# KiCad board pcb-panel.kicad_pcb (continued)
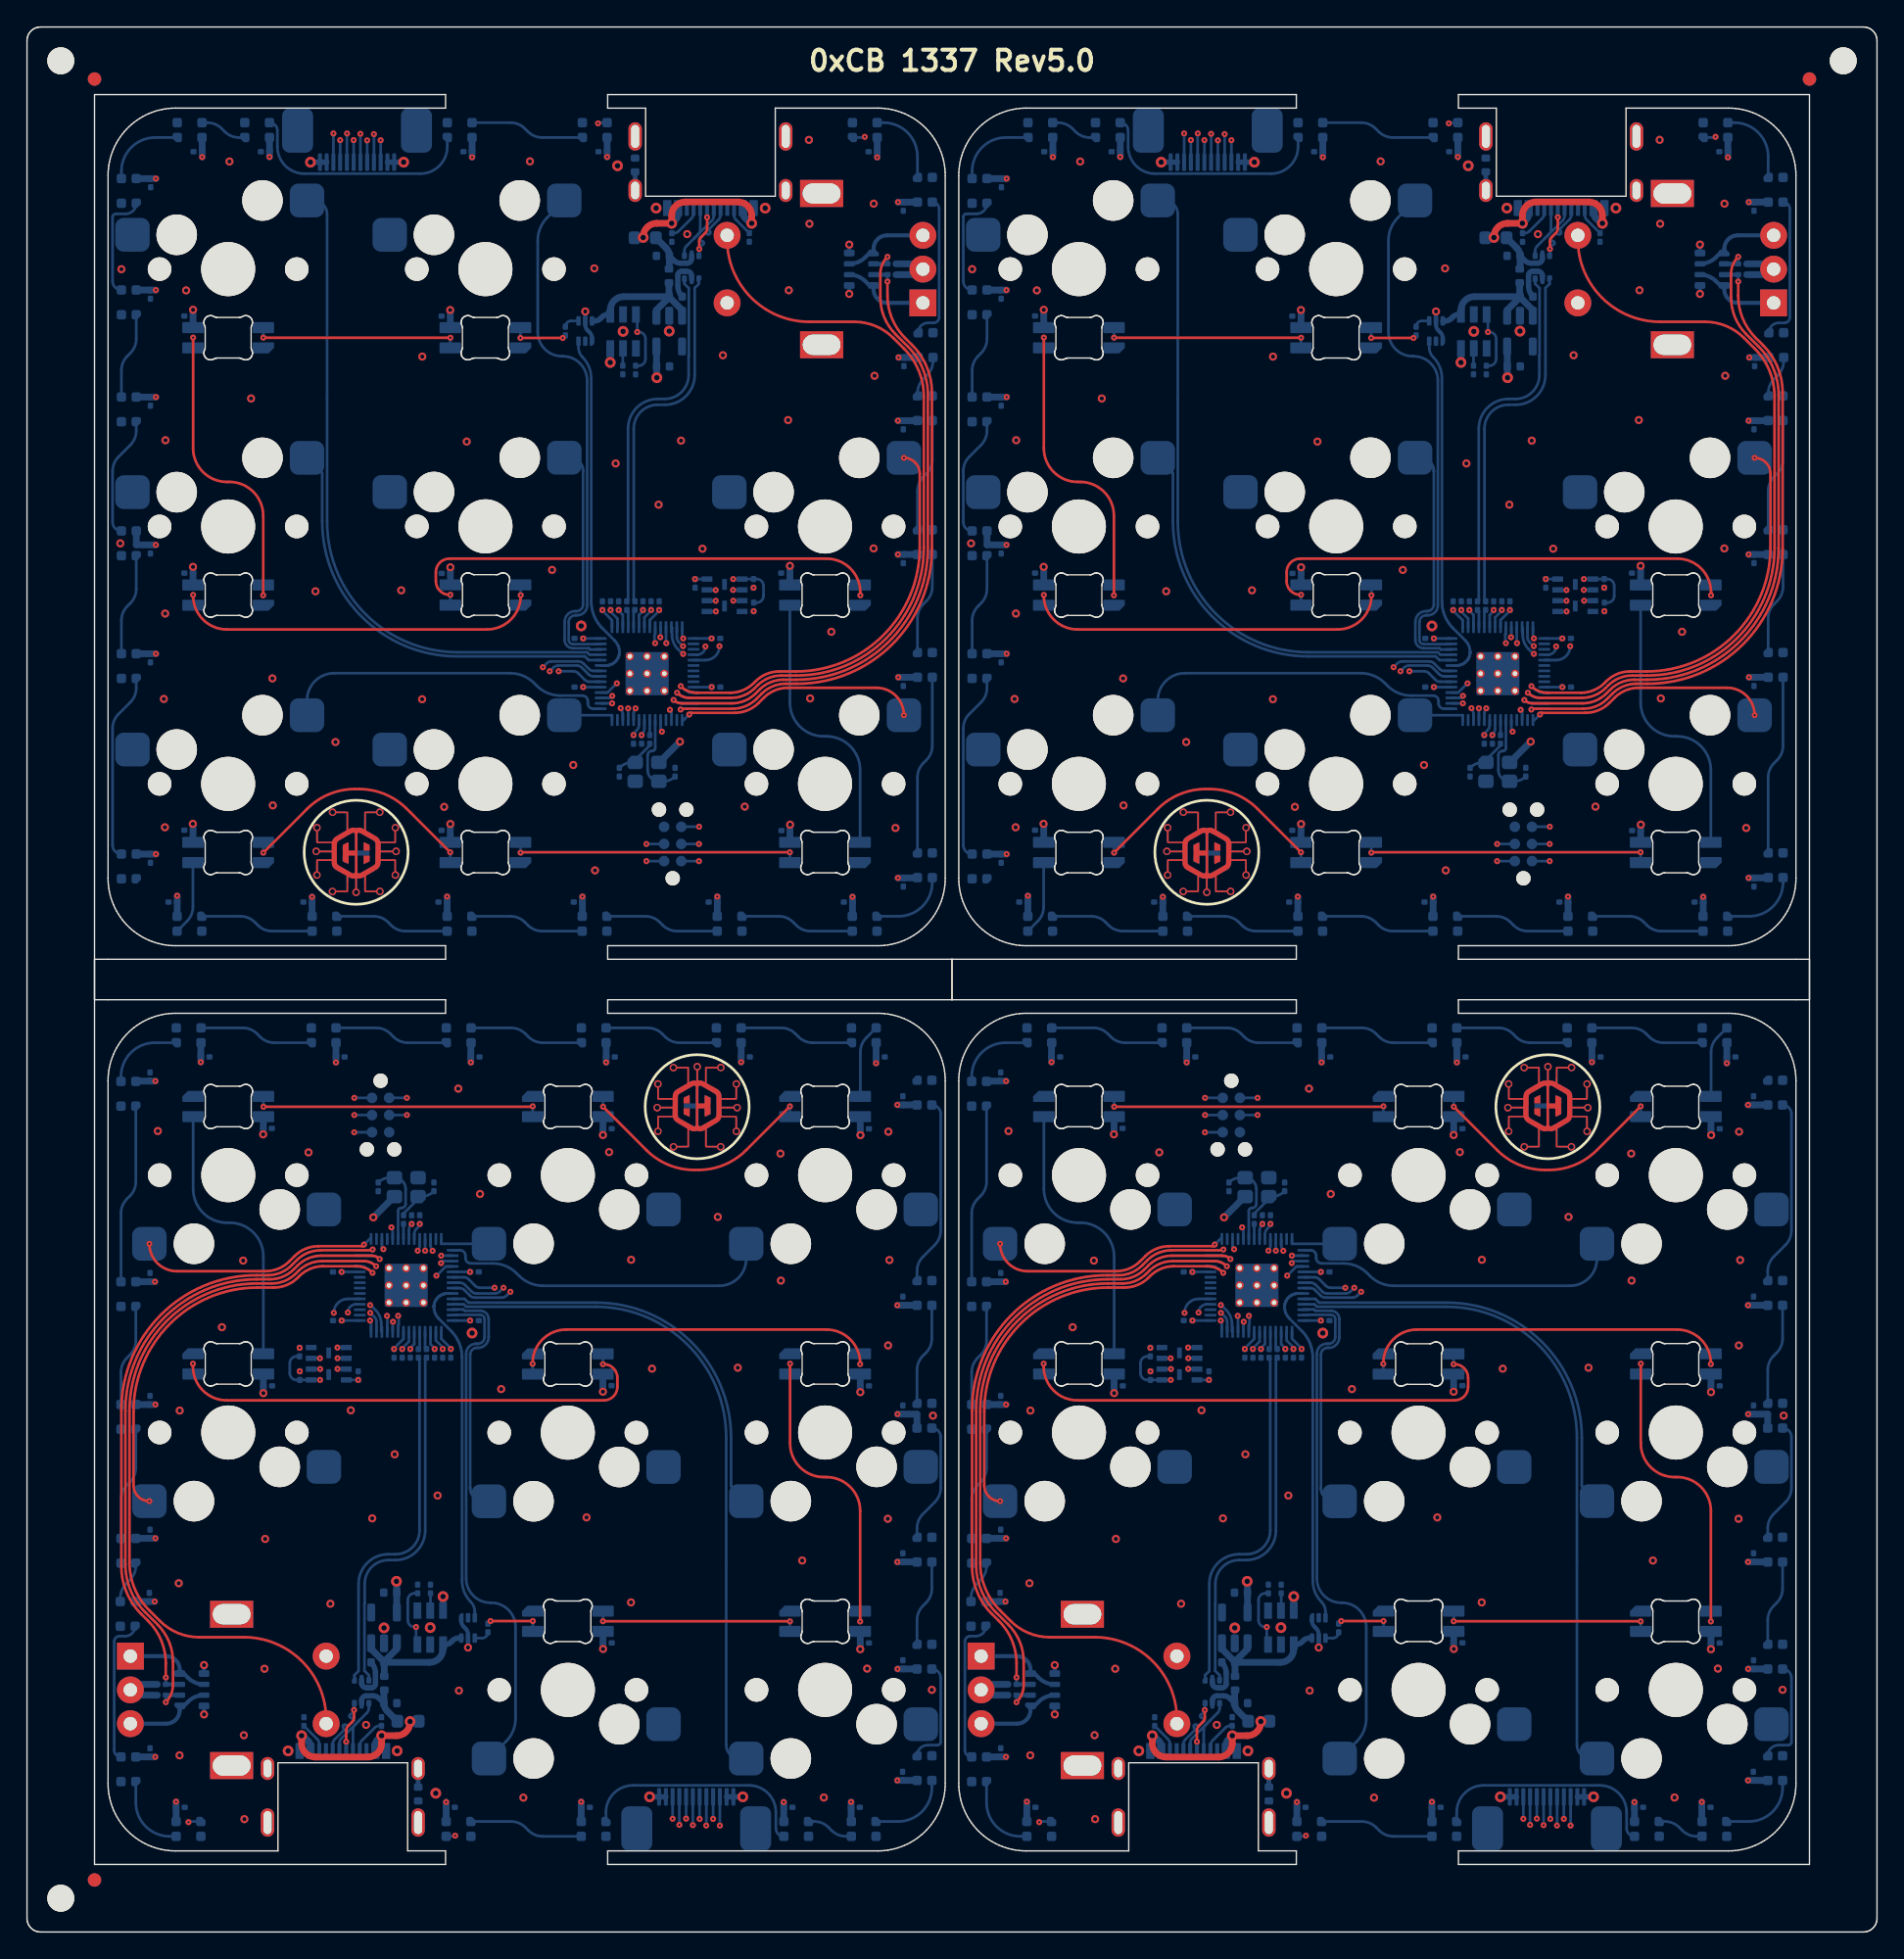
[diagram p0: board, top side]
## Routing (per net, layer and track width the routed paths; a pad name or vN(x,y) marks a point on that pad's centre or on a via; arc(x,y) is an arc through that point) (continued)
  Bottom w0.2: U6#4.4 24.37,46.46 arc(23.94,46.28) v1(23.76,45.85) ; J2#3.3 v1(51.31,7.88)
Board_2-/SPI0_CS: length 59.2
  In1.Cu w0.2: v1(30.32,48.58) 30.87,48.03 arc(31.19,47.82) 31.57,47.74 33.81,47.74 arc(34,47.78) 34.16,47.89 34.24,47.96 arc(34.4,48.07) 34.59,48.11 39.47,48.11 arc(46.14,45.34) 48.91,38.67 48.91,10.99 arc(49.09,10.09) 49.59,9.34 50,8.92 arc(50.22,8.6) 50.3,8.21 v1(50.3,7.88)
  Bottom w0.2: J2#3.5 50.31,7.89 v1(50.3,7.88) ; U6#4.32 31.01,49.26 30.33,48.58 v1(30.32,48.58)
Board_2-/SPI0_DC: length 63.2
  In1.Cu w0.2: v1(49.81,8.37) 49.81,7.85 arc(49.93,7.57) 50.21,7.45 51.36,7.45 arc(51.48,7.48) 51.58,7.54 51.62,7.59 arc(51.7,7.72) 51.73,7.87 51.73,7.91 arc(51.71,8.04) 51.63,8.15 49.5,10.29 arc(49.29,10.61) 49.21,10.99 49.21,38.7 arc(46.36,45.56) 39.5,48.41 34.47,48.41 arc(34.28,48.37) 34.12,48.26 34.04,48.19 arc(33.88,48.08) 33.69,48.04 31.94,48.04 arc(31.56,48.12) 31.24,48.33 30.34,49.23 arc(30.26,49.34) 30.23,49.48 30.23,49.55 arc(30.26,49.68) 30.33,49.78 30.61,50.06 v1(30.67,50.06)
  Bottom w0.2: J2#3.6 v1(49.81,8.37) ; v1(30.67,50.06) 30.67,50.06 U6#4.30
Board_2-/SPI0_RST: length 55.1
  In1.Cu w0.2: v1(48.31,7.93) 48.31,38.62 arc(45.71,44.91) 39.42,47.51 36.1,47.51 arc(35.94,47.48) v1(35.8,47.38)
  Bottom w0.2: v1(35.8,47.38) 35.52,47.1 arc(35.35,46.99) 35.16,46.96 33.15,46.96 arc(32.96,46.99) 32.8,47.1 32.39,47.51 arc(32.23,47.62) 32.04,47.66 U6#4.36 ; J2#3.9 v1(48.31,7.93)
Board_2-/SPI0_SCK: length 53.9
  In1.Cu w0.2: v1(34.63,47.68) 35.14,47.17 arc(35.38,47.01) 35.65,46.96 35.83,46.96 arc(35.96,46.99) 36.07,47.06 36.11,47.1 arc(36.24,47.18) 36.38,47.21 39.39,47.21 arc(45.49,44.69) 48.01,38.59 48.01,8.86 arc(47.96,8.6) v1(47.81,8.38)
  Bottom w0.2: v1(34.63,47.68) 33.54,47.68 arc(33.35,47.72) 33.18,47.83 32.7,48.31 arc(32.54,48.42) 32.35,48.46 U6#4.34 ; J2#3.10 v1(47.81,8.38)
Board_2-/SPI0_SDI: length 64
  In1.Cu w0.2: v1(48.81,8.39) 48.81,7.76 arc(48.99,7.33) 49.41,7.15 51.37,7.15 arc(51.59,7.2) 51.78,7.33 51.85,7.39 arc(51.99,7.6) 52.03,7.84 52.03,7.97 arc(51.99,8.16) 51.88,8.33 49.8,10.41 arc(49.59,10.74) 49.51,11.12 49.51,38.71 arc(46.58,45.78) 39.51,48.71 34.35,48.71 arc(34.15,48.67) 33.99,48.56 33.96,48.53 arc(33.79,48.42) 33.6,48.38 32.2,48.38 arc(31.82,48.46) 31.5,48.67 v1(30.66,49.51)
  Bottom w0.2: v1(48.81,8.39) J2#3.8 ; v1(30.66,49.51) 30.81,49.66 U6#4.31
Board_2-/SPI0_SDO: length 55.8
  In1.Cu w0.2: v1(49.31,7.91) 49.31,8.29 arc(49.27,8.47) 49.17,8.63 49.04,8.75 arc(48.72,9.24) 48.61,9.81 48.61,38.64 arc(45.92,45.12) 39.44,47.81 35.59,47.81 arc(35.43,47.78) v1(35.29,47.68)
  Bottom w0.2: v1(35.29,47.68) 35.01,47.41 arc(34.85,47.3) 34.66,47.26 33.27,47.26 arc(33.08,47.3) 32.92,47.41 32.41,47.91 arc(32.25,48.02) 32.06,48.06 U6#4.35 ; J2#3.7 v1(49.31,7.91)
Board_2-/SWD_CLK: length 15.6
  In1.Cu w0.2: v1(28.93,50.43) 28.93,50.44 arc(28.94,50.48) 28.96,50.51 29.35,50.89 arc(29.49,51.11) 29.54,51.36 29.54,55.56 arc(29.19,57.3) 28.21,58.77 28.12,58.86 arc(26.34,60.05) v1(24.24,60.47)
  Bottom w0.2: U6#4.24 29.08,50.78 arc(29.04,50.59) v1(28.93,50.43) ; v1(24.24,60.47) 25.55,60.47
Board_2-/SWD_IO: length 16.5
  In1.Cu w0.2: v1(29.48,50.43) 29.48,50.47 arc(29.75,50.86) 29.84,51.33 29.84,55.65 arc(29.42,57.76) 28.22,59.56 27.31,60.47 arc(25.9,61.41) v1(24.24,61.74)
  Bottom w0.2: v1(24.24,61.74) 25.55,61.74 ; v1(29.48,50.43) 29.48,50.43 U6#4.25
Board_2-/USB+: length 26.8
  Bottom w0.2: U1#3.1 24.24,19 24.55,19.32 24.55,25.76 arc(25.2,27.31) 26.75,27.96 27.3,27.96 arc(28.55,28.48) 29.07,29.73 29.07,42.42 R8#2.1
Board_2-/USB-: length 26.8
  Bottom w0.2: R9#3.1 29.49,42.41 29.49,29.73 arc(28.84,28.17) 27.29,27.53 26.77,27.53 arc(25.52,27.01) 25,25.76 25,24.32 24.99,24.3 24.99,19.33 25.32,19 U1#3.3
Board_2-GND: length 11.9
  Bottom w0.2: U6#4.19 27.08,52.06 v1(26.98,52.15)
  Bottom w0.4: v2(53.01,10) J2#3.1 J2#3.2 ; U1#3.2 24.78,18.43 arc(24.88,18.18) 25.13,18.08 25.52,18.08 arc(25.72,18.16) 25.8,18.36 25.8,19.17 arc(25.72,19.59) C11.2
  Bottom w0.5: v3(25.65,52.89) 27.18,54.43 Y1#3.2 ; C7#2.2 8.04,17.53 MX3#3.C 8.06,18.33 C8.2
  vias: v2(19.33,13.4) v2(26.44,22.51) v2(27.41,13.4) v2(29.86,22.53) v2(30.27,10.27) v2(32.96,44.33) v3(9.69,59.28) v3(11.24,25.81) v3(11.31,38.59) v3(11.3,13.07) v3(14.44,44.76) v3(16.01,49.69) v3(16.06,14.56) v3(16.1,8.35) v3(17.64,29.09) v3(17.59,19.48) v3(20.85,57.7) v3(22.47,24.29) v3(23.98,38.61) v3(25.11,15.33) v3(25.57,30.61) v3(27.23,35.35) v3(30.41,32.3) v3(31.94,62.42) v3(31.99,17.86) v3(33.55,54.62) v3(35.12,40.18) v3(36.76,9.94) v3(41.44,30.68) v3(43.11,57.72) v3(44.74,49.75) v3(44.73,24.39) v3(46.29,41.69) v3(51.16,52.92) v3(52.64,41.76) v3(55.8,57.61) v3(55.83,48.21) v3(57.41,27.49) v3(59.01,9.95) v3(62.22,19.49) v3(63.75,30.58) v3(63.79,59.23) v3(63.77,43.41) v3(63.87,49.73) v3(67.01,17.92) v3(67.09,38.22)
Board_2-Net-(C40-Pad2): length 3.1
  Bottom w0.2: R10.1 27.88,53.18 28.96,54.25 Y1#3.1 29.16,54.43 arc(29.69,54.53) C40#3.2
Board_2-Net-(D1-DIN): length 15.3
  Top w0.2: v1(56.5,22.99) 56.49,23 v1(42.65,23)
  Bottom w0.2: v1(42.65,23) 42.65,23 D2#4.2 ; v1(56.5,22.99) 56.5,22.25 D1#3.4
Board_2-Net-(D1-DOUT): length 23.7
  Top w0.2: v1(56.51,42.06) 56.51,36.17 arc(57.24,34.4) 59.01,33.67 59.2,33.67 arc(60.97,32.94) 61.7,31.17 v1(61.7,22.98)
  Bottom w0.2: v1(61.7,22.98) 61.7,22.99 D1#3.2 ; v1(56.51,42.06) 56.5,42.06 D3#2.4
Board_2-Net-(D3-DOUT): length 28.7
  Top w0.2: v1(37.44,42.05) 37.44,42.09 arc(38.17,43.86) 39.94,44.59 59.2,44.59 arc(60.97,43.86) 61.7,42.09 v1(61.7,42.03)
  Bottom w0.2: D3#2.2 61.7,42.04 v1(61.7,42.03) ; D4#3.4 37.44,41.3 v1(37.44,42.05)
Board_2-Net-(D4-DOUT): length 37.5
  Top w0.2: v1(42.65,42.02) 42.72,42.02 arc(43.43,41.73) 43.72,41.02 43.72,40.35 arc(43.43,39.64) 42.72,39.35 14.79,39.35 arc(13.02,40.08) 12.29,41.85 v1(12.29,42.06)
  Bottom w0.2: v1(12.29,42.06) 12.29,41.31 D5.4 ; D4#3.2 v1(42.65,42.02)
Board_2-Net-(D5-DOUT): length 20.6
  Bottom w0.2: D5.2 17.5,50 arc(16.77,51.77) 15,52.5 14.8,52.5 arc(13.04,53.23) 12.3,55 D8#4.4
Board_2-Net-(D6-DIN): length 18.8
  Top w0.2: v1(56.5,61.11) 53.25,57.87 arc(51.63,56.78) 49.72,56.4 49.41,56.4 arc(47.5,56.78) 45.87,57.87 v1(42.66,61.08)
  Bottom w0.2: D6#3.4 56.5,60.35 v1(56.5,61.11) ; v1(42.66,61.08) 42.65,61.09 D7#2.2
Board_2-Net-(D7-DIN): length 21.5
  Top w0.2: v1(37.45,61.11) 37.42,61.08 v1(17.51,61.08)
  Bottom w0.2: D8#4.2 17.5,61.09 v1(17.51,61.08) ; D7#2.4 37.45,60.35 v1(37.45,61.11)
Board_2-Net-(D10-DIN): length 35.3
  In2.Cu w0.2: v1(31.71,7.13) 31.71,10.58 arc(29.66,15.53) 24.71,17.58 18.99,17.58 arc(14.04,15.53) 11.99,10.58 11.99,8.13 v1(11.96,8.13)
  Bottom w0.2: D10#3.3 31.66,7.08 v1(31.71,7.13) ; v1(11.96,8.13) 12.01,8.18 D9#3.1
Board_2-Net-(D10-DOUT): length 8.5
  Bottom w0.2: D10#3.1 35.85,8.18 arc(36.42,8.07) 36.91,7.74 37.13,7.52 arc(37.62,7.19) 38.19,7.08 D11#2.3
Board_2-Net-(D11-DOUT): length 17.7
  Bottom w0.2: D11#2.1 42.87,8.85 arc(43.46,10.27) 44.87,10.85 53.46,10.85 arc(54.87,10.27) 55.46,8.85 55.46,7.66 arc(55.63,7.25) D12#4.3
Board_2-Net-(D12-DOUT): length 3.5
  Bottom w0.2: D12#4.1 58.3,8.18 arc(58.87,8.07) 59.36,7.74 59.58,7.52 arc(60.07,7.19) 60.64,7.08 D13#2.3
Board_2-Net-(D13-DOUT): length 6.1
  Bottom w0.2: D15#4.3 67.01,10.68 arc(66.28,8.91) 64.51,8.18 D13#2.1
Board_2-Net-(D14-DIN): length 11
  Bottom w0.2: D14#3.3 6.95,12.96 arc(6.6,13.11) 6.45,13.46 6.45,21.49 arc(6.57,21.78) 6.86,21.9 7.28,21.9 arc(7.8,22.11) D16#3.1
Board_2-Net-(D14-DOUT): length 6
  Bottom w0.2: D9#3.3 10.56,7.08 arc(8.79,7.81) 8.06,9.58 D14#3.1
Board_2-Net-(D15-DOUT): length 8.1
  Bottom w0.2: D15#4.1 arc(66.14,13.6) 66.69,13.83 67.44,13.83 arc(67.6,13.89) 67.66,14.05 67.66,18.81 arc(67.47,19.27) D17#2.3
Board_2-Net-(D16-DIN): length 3.2
  Bottom w0.2: D18#4.1 8.06,27.11 arc(7.95,26.54) 7.62,26.05 7.35,25.78 arc(7.02,25.29) 6.91,24.72 D16#3.3
Board_2-Net-(D17-DOUT): length 6.4
  Bottom w0.2: D17#2.1 65.91,23.08 arc(66.02,23.65) 66.35,24.14 66.57,24.36 arc(66.9,24.85) 67.01,25.42 D19.3
Board_2-Net-(D18-DIN): length 8.4
  Bottom w0.2: D18#4.3 6.96,32.01 arc(7.07,32.58) 7.4,33.07 7.62,33.29 arc(7.95,33.78) 8.06,34.35 D20.1
Board_2-Net-(D19-DOUT): length 9.1
  Bottom w0.2: D19.1 65.91,29.88 arc(66.02,30.45) 66.35,30.94 67.22,31.81 arc(67.55,32.3) 67.66,32.88 67.66,36.64 arc(67.47,37.11) D21#3.3
Board_2-Net-(D20-DIN): length 7.6
  Bottom w0.2: D20.3 6.96,41.43 arc(7.07,42) 7.4,42.49 7.62,42.71 arc(7.95,43.2) 8.06,43.77 D22#4.1
Board_2-Net-(D21-DOUT): length 7.6
  Bottom w0.2: D21#3.1 65.91,41.59 arc(66.02,42.16) 66.35,42.65 66.57,42.87 arc(66.9,43.36) 67.01,43.93 D23#3.3
Board_2-Net-(D22-DIN): length 13.3
  Bottom w0.2: D22#4.3 6.96,53.2 arc(7.07,53.77) 7.4,54.26 7.62,54.48 arc(7.95,54.97) 8.06,55.54 D24#3.1
Board_2-Net-(D23-DOUT): length 14
  Bottom w0.2: D23#3.1 65.91,48.92 arc(66.02,49.49) 66.35,49.98 67.22,50.85 arc(67.55,51.34) 67.66,51.92 67.66,60.56 arc(67.47,61.02) D25.3
Board_2-Net-(D24-DIN): length 5.9
  Bottom w0.2: D26.1 9.46,65.82 arc(7.69,65.09) 6.96,63.32 D24#3.3
Board_2-Net-(D26-DIN): length 8.5
  Bottom w0.2: D26.3 15.98,66.92 arc(16.55,66.81) 17.04,66.48 17.26,66.26 arc(17.75,65.93) 18.32,65.82 D27#4.1
Board_2-Net-(D27-DIN): length 8.5
  Bottom w0.2: D28#4.1 28.2,65.82 arc(27.63,65.93) 27.14,66.26 26.92,66.48 arc(26.43,66.81) 25.86,66.92 D27#4.3
Board_2-Net-(D28-DIN): length 8.5
  Bottom w0.2: D29.1 38.19,65.82 arc(37.62,65.93) 37.13,66.26 36.91,66.48 arc(36.42,66.81) 35.85,66.92 D28#4.3
Board_2-Net-(D29-DIN): length 8.5
  Bottom w0.2: D29.3 45.98,66.92 arc(46.55,66.81) 47.04,66.48 47.26,66.26 arc(47.75,65.93) 48.32,65.82 D30#2.1
Board_2-Net-(D30-DIN): length 8.5
  Bottom w0.2: D31#2.1 58.19,65.82 arc(57.62,65.93) 57.13,66.26 56.91,66.48 arc(56.42,66.81) 55.85,66.92 D30#2.3
Board_2-Net-(D31-DIN): length 5.5
  Bottom w0.2: D6#3.2 61.71,61.86 61.71,65.13 arc(61.83,65.7) 62.15,66.19 D31#2.3
Board_2-Net-(F1-Pad1): length 14.3
  Top w0.5: v2(20.33,14.53) 20.33,13.95 arc(20.63,13.24) 21.33,12.95 25.26,12.95 arc(25.97,13.24) 26.26,13.95 v2(26.26,14.53) 27.37,14.53 arc(28.08,14.82) 28.37,15.53 v2(28.37,15.58)
  Bottom w0.5: v2(28.37,15.58) 28.99,15.58 F1.1 ; v2(20.33,14.53) 20.43,14.53 20.84,14.12 arc(20.95,13.96) 20.99,13.77 J1#4.A9 ; J1#4.A4 25.79,13.85 arc(25.83,14.04) 25.94,14.21 v2(26.26,14.53)
Board_2-Net-(J1-CC1): length 2.7
  Bottom w0.2: J1#4.A5 24.64,13.8 arc(24.68,13.99) 24.79,14.15 25.74,15.11 arc(25.91,15.22) 26.1,15.26 R2#2.2
Board_2-Net-(J1-CC2): length 2.3
  Bottom w0.2: J1#4.B5 21.64,13.92 arc(21.6,14.11) 21.49,14.27 R1#3.2
Board_2-Net-(J1-SHIELD): length 1.4
  Bottom w0.35: J1#4.S1 28.96,10.72 FB1#4.1
Board_2-Net-(RN1A-R1.1): length 6.6
  Bottom w0.3: MX3#3.B 10.31,15.42 arc(11.02,15.71) 11.31,16.42 RN1#3.1 11.61,16.73 11.91,17.03 arc(12.46,17.4) RN1#3.7
Board_2-Net-(RN1C-R3.2): length 6.6
  Bottom w0.3: MX3#3.A 10.31,20.42 arc(11.02,20.13) 11.31,19.42 RN1#3.4 11.61,19.13 11.91,18.82 arc(12.46,18.46) RN1#3.6
Board_2-Net-(U1-VBUS): length 5
  Bottom w0.4: C10#3.1 26.09,17.28 arc(25.87,17.43) 25.61,17.48 25.13,17.48 arc(24.88,17.38) 24.78,17.13 U1#3.5
  Bottom w0.5: FB2#3.1 26.43,17.88 C10#3.1 arc(26.49,16.63) 26.67,16.36 F1.2
Board_2-Net-(U3-ILIM): length 1.3
  Bottom w0.2: U3#3.5 29.88,23.8 R5#3.1
Board_2-Net-(U4-B): length 1.2
  Bottom w0.2: U4#2.4 33.7,21.75 arc(34.01,21.88) R3#4.1
Board_2-Net-(U6-XTAL_IN): length 6.6
  Bottom w0.2: U6#4.20 27.48,53.38 arc(27.54,53.53) 27.69,53.59 27.73,53.59 arc(27.95,53.68) 28.04,53.89 28.04,55 arc(27.8,55.59) Y1#3.3 26.87,55.83 arc(26.4,55.74) C37#4.2
Board_2-Net-(U6-XTAL_OUT): length 1.1
  Bottom w0.2: U6#4.21 27.88,52.4 R10.2
Board_3-+1V1: length 4.2
  Bottom w0.2: U6.50 90.88,43.9 90.18,43.2 v1(90.18,43.15) C25#4.1 ; U6.45 92.88,43.51 93.18,43.2 v1(93.18,43.15) C22#4.2 ; U6.23 91.68,51.65 arc(91.72,51.87) 91.85,52.06 92.08,52.29 v1(92.08,52.4) C39#3.1
Board_3-+3V3: length 21.7
  Bottom w0.2: U6.10 86.3,48.86 v1(86.3,48.85) ; v1(95.81,45.25) 95.81,45.26 U6.42 ; U6.49 91.28,43.7 90.78,43.2 v1(90.78,43.15) C21#2.1 ; U5.8 87.53,40.86 v1(87.53,40.86) ; v1(86.3,45.25) 86.31,45.26 U6.1 ; C23#4.1 v1(91.38,43.15) 91.38,43.23 91.68,43.52 U6.48 ; U6.44 93.28,43.78 93.78,43.28 v1(93.78,43.15) C26.2 ; v1(91.13,61.74) 89.82,61.74 ; U6.33 95.81,48.86 v1(95.81,48.85) ; U6.43 93.68,43.91 94.38,43.2 v1(94.38,43.15) ; C38#2.1 v1(91.48,52.4) arc(91.33,52.18) 91.28,51.91 U6.22
  Bottom w0.3: U4#4.1 95.16,23.03 arc(95.2,22.8) 95.33,22.6 95.48,22.45 arc(95.61,22.26) 95.66,22.03 U4#4.5 v3(95.66,21.05) ; RN1.5 v3(76.11,19.75) ; v3(76.11,16.1) RN1.8
  Bottom w0.35: 90.38,23.66 U2.5
  Bottom w0.4: v2(109.11,10) J2#4.12 J2#4.11
  Bottom w0.5: 90.38,23.66 C17#4.1 90.38,25.93 v2(90.36,25.95)
  vias: v1(83.2,41.5)
Board_3-+5V: length 11.5
  Bottom w0.4: U4#4.6 94.95,21.75 arc(94.72,21.71) 94.53,21.58 94.4,21.45 arc(94.21,21.32) 93.98,21.27 U3#2.1
  Bottom w0.5: U3#2.1 93.81,20.95 arc(93.52,20.25) 92.81,19.95 C11#2.1 ; 89.42,19.89 89.42,19.98 90.39,20.95 U2.1 ; 89.42,19.89 89.42,20.02 88.49,20.95 U2.3 ; 89.42,19.89 89.46,19.85 FB2#4.2
Board_3-/BOOT: length 19.6
  In2.Cu w0.2: v1(83.19,43.24) 83.19,51.64 arc(83.76,53.01) 85.13,53.58 arc(86.61,54.19) 87.23,55.68 v1(87.23,59.19)
  Bottom w0.2: J3#3.6 88.54,59.19 v1(87.23,59.19) ; R6.2 v1(83.19,43.24)
Board_3-/D+: length 1.3
  Bottom w0.2: R8#4.2 92.08,43.24 U6.47
Board_3-/D-: length 1.3
  Bottom w0.2: R9#4.2 92.48,43.25 U6.46
Board_3-/EA: length 50.8
  Top w0.2: v1(89.12,49.81) arc(88.84,49.99) 88.52,50.06 84.8,50.06 arc(83.85,49.87) 83.04,49.33 82.75,49.04 arc(81.94,48.5) 80.98,48.31 80.03,48.31 arc(73.14,45.46) 70.29,38.57 70.29,27.2 arc(70.67,25.29) 71.75,23.67 72.68,22.74 arc(73.51,21.49) 73.81,20.01 73.81,18.29 arc(73.67,17.6) v1(73.28,17.01)
  Bottom w0.2: U6.13 88.52,50.06 arc(88.84,49.99) v1(89.12,49.81) ; v1(73.28,17.01) C7.1
  Bottom w0.3: RN1.2 C7.1
Board_3-/EB: length 48.1
  Top w0.2: v1(88.6,50.52) 88.54,50.46 84.74,50.46 arc(83.79,50.27) 82.98,49.73 82.59,49.34 arc(81.78,48.8) 80.82,48.61 79.99,48.61 arc(72.92,45.68) 69.99,38.61 69.99,27.08 arc(70.37,25.17) 71.45,23.54 71.99,23.01 arc(72.94,21.58) 73.28,19.89 v1(73.28,18.84)
  Bottom w0.2: v1(88.6,50.52) 88.54,50.46 U6.14 ; v1(73.28,18.84) C8#2.1
  Bottom w0.3: C8#2.1 RN1.3
Board_3-/LIM_EN: length 35.2
  In1.Cu w0.2: v1(91.81,22.57) 91.81,48.92 arc(91.33,50.06) 90.19,50.54 v1(89.39,50.54)
  Bottom w0.2: v1(89.39,50.54) 89.28,50.65 U6.17 ; U3#2.3 91.81,21.37 v1(91.81,22.57) 91.7,22.57 arc(91.35,22.72) 91.2,23.07 91.2,24.57 arc(91.35,24.92) 91.7,25.07 R4#4.2
Board_3-/PORT+: length 8.1
  Top w0.2: v1(87.22,16.43) 87.22,15.9 arc(87.18,15.7) 87.07,15.54 86.78,15.25 arc(86.67,15.09) 86.64,14.9 v1(86.64,14.08)
  Bottom w0.2: J1#3.B6 85.64,13.9 arc(85.68,14.09) 85.79,14.26 86.43,14.9 arc(86.47,15) 86.43,15.1 arc(86.39,15.2) 86.43,15.3 86.44,15.31 arc(86.54,15.36) 86.64,15.31 arc(86.74,15.27) 86.84,15.31 87.22,15.69 arc(87.18,15.8) 87.07,15.84 87.03,15.84 arc(86.92,15.88) 86.88,15.99 arc(86.92,16.1) 87.03,16.14 87.07,16.14 arc(87.18,16.18) 87.22,16.29 v1(87.22,16.43) 87.22,16.91 U1.6 ; J1#3.A6 86.64,14.08 v1(86.64,14.08)
Board_3-/PORT-: length 6.8
  Bottom w0.2: J1#3.A7 86.14,13.98 arc(86.18,14.17) 86.29,14.33 87.6,15.65 ; 87.6,15.65 87.29,15.33 arc(87.18,15.17) 87.14,14.98 J1#3.B7 ; 87.6,15.65 88.17,16.22 arc(88.28,16.38) 88.32,16.57 U1.4
Board_3-/QSPI_CLK: length 8.8
  In1.Cu w0.2: v1(86,42.47) 86.74,42.47 arc(86.84,42.43) 86.88,42.33 arc(86.92,42.23) 87.02,42.19 87.05,42.19 arc(87.15,42.23) 87.19,42.33 87.19,42.57 arc(87.22,42.64) 87.29,42.67 87.39,42.67 arc(87.46,42.64) 87.49,42.57 arc(87.52,42.5) 87.59,42.47 88.09,42.47 arc(88.13,42.57) 88.09,42.66 arc(88.05,42.76) 88.09,42.86 88.11,42.89 arc(88.21,42.93) 88.31,42.89 88.49,42.71 arc(88.57,42.67) 88.65,42.71 88.7,42.76 arc(88.73,42.84) 88.7,42.92 arc(88.67,43) 88.7,43.08 88.74,43.12 arc(88.82,43.16) 88.9,43.12 arc(88.98,43.09) 89.06,43.12 89.11,43.18 arc(89.15,43.26) 89.11,43.34 arc(89.08,43.41) 89.11,43.49 89.17,43.55 arc(89.25,43.58) 89.32,43.55 arc(89.4,43.51) 89.48,43.55 89.54,43.6 arc(89.57,43.68) 89.54,43.76 arc(89.5,43.84) 89.54,43.92 89.77,44.15 arc(90.02,44.52) 90.1,44.96 v1(90.1,45.17)
  Bottom w0.2: U6.52 90.08,45.14 v1(90.1,45.17) ; v1(86,42.47) 86.01,42.46 U5.6
Board_3-/QSPI_CS: length 12.4
  In1.Cu w0.2: v1(84.7,40.86) 84.98,41.14 arc(85.39,41.76) 85.54,42.49 85.54,43.22 arc(85.57,43.4) 85.67,43.54 85.71,43.58 arc(85.82,43.66) 85.96,43.68 87.34,43.68 87.39,43.73 arc(87.42,43.8) 87.39,43.87 arc(87.36,43.95) 87.39,44.02 87.46,44.09 arc(87.53,44.12) 87.61,44.09 87.75,43.95 arc(87.82,43.92) 87.89,43.95 87.99,44.05 arc(88.02,44.12) 87.99,44.19 arc(87.96,44.26) 87.99,44.33 88.26,44.6 arc(88.37,44.76) 88.4,44.95 v1(88.4,45.25)
  Bottom w0.2: v1(88.4,45.25) 88.48,45.18 U6.56 ; v1(84.7,40.86) 84.7,40.86 U5.1 84.04,40.86 R7#3.2 82.96,40.86 arc(82.61,41.01) 82.46,41.36 82.46,42.1 arc(82.61,42.46) 82.96,42.6 R6.1
Board_3-/QSPI_SD0: length 8.8
  In1.Cu w0.2: v1(85.99,43.26) 86.7,43.26 arc(86.8,43.22) 86.85,43.11 arc(86.89,43.01) 86.99,42.97 87,42.97 arc(87.1,43.01) 87.15,43.11 arc(87.19,43.22) 87.29,43.26 87.3,43.26 arc(87.4,43.22) 87.45,43.11 arc(87.49,43.01) 87.59,42.96 87.6,42.96 arc(87.71,43.01) 87.75,43.11 87.75,43.41 arc(87.79,43.51) 87.9,43.55 87.9,43.55 arc(88.01,43.51) 88.05,43.41 arc(88.09,43.3) 88.2,43.26 88.27,43.26 88.52,43.51 arc(88.56,43.61) 88.52,43.71 arc(88.47,43.82) 88.52,43.92 88.52,43.93 arc(88.62,43.97) 88.73,43.93 arc(88.83,43.88) 88.94,43.93 88.94,43.93 arc(88.98,44.04) 88.94,44.14 arc(88.9,44.24) 88.94,44.35 88.94,44.35 arc(89.05,44.39) 89.15,44.35 arc(89.26,44.31) 89.36,44.35 89.37,44.36 arc(89.6,44.7) 89.68,45.11 89.68,45.59 v1(89.66,45.6)
  Bottom w0.2: U5.5 85.99,43.26 v1(85.99,43.26) ; U6.53 89.68,44.42 89.68,45.59 v1(89.66,45.6)
Board_3-/QSPI_SD1: length 8.6
  In1.Cu w0.2: v1(88.42,45.82) 88.37,45.82 87.76,45.21 arc(87.72,45.11) 87.76,45 arc(87.81,44.9) 87.76,44.79 arc(87.66,44.75) 87.55,44.79 arc(87.45,44.83) 87.34,44.79 86.98,44.43 arc(86.68,44.23) 86.32,44.16 86.19,44.16 arc(85.87,44.1) 85.59,43.91 85.5,43.82 arc(85.22,43.39) 85.12,42.89 85.12,42.47 arc(85.04,42.11) 84.84,41.8 v1(84.71,41.67)
  Bottom w0.2: U5.2 84.7,41.66 v1(84.71,41.67) ; U6.55 88.88,45.18 arc(88.84,45.36) 88.74,45.52 88.43,45.82 v1(88.42,45.82)
Board_3-/QSPI_SD2: length 8.7
  In1.Cu w0.2: v1(84.69,42.46) 84.69,42.57 arc(84.85,43.37) 85.3,44.05 85.74,44.48 arc(85.98,44.64) 86.26,44.7 arc(86.66,44.78) 86.99,45 88.39,46.4 v1(88.41,46.4)
  Bottom w0.2: v1(84.69,42.46) U5.3 ; U6.54 89.23,44.47 89.23,45.01 arc(89.12,45.56) 88.81,46.03 88.44,46.4 v1(88.41,46.4)
Board_3-/QSPI_SD3: length 8.8
  In1.Cu w0.2: v1(86,41.68) 87.5,41.68 arc(88.06,41.79) 88.54,42.11 90.13,43.7 arc(90.42,44.14) 90.53,44.66 90.53,45.56 v1(90.48,45.6)
  Bottom w0.2: v1(86,41.68) 86.02,41.66 U5.7 ; U6.51 90.48,44.92 90.53,44.97 90.53,45.56 v1(90.48,45.6)
Board_3-/RGB_5V: length 4.2
  Top w0.2: v1(97.32,23.01) v1(100.46,23.01)
  Bottom w0.2: D2.4 100.46,22.25 v1(100.46,23.01) ; v1(97.32,23.01) R3#3.2
Board_3-/RGB_DO: length 25.9
  Bottom w0.2: U6.37 94.14,47.26 arc(94.13,47.26) 94.13,47.26 94.08,47.26 arc(94.07,47.26) 94.07,47.26 94.05,47.26 94.01,47.25 93.99,47.25 arc(93.99,47.25) 93.98,47.25 93.89,47.23 arc(93.89,47.23) 93.88,47.23 93.86,47.22 93.82,47.21 93.8,47.2 arc(93.79,47.2) 93.79,47.2 93.71,47.16 arc(93.7,47.16) 93.7,47.16 93.68,47.15 93.64,47.13 93.62,47.12 arc(93.62,47.12) 93.61,47.11 93.54,47.06 arc(93.53,47.06) 93.53,47.06 93.51,47.05 93.48,47.02 93.46,47 arc(93.46,47) 93.45,47 93.39,46.93 arc(93.39,46.93) 93.39,46.93 93.37,46.91 93.34,46.87 93.33,46.86 arc(93.33,46.85) 93.32,46.85 93.28,46.78 arc(93.27,46.77) 93.27,46.77 93.26,46.75 93.24,46.71 93.23,46.69 arc(93.23,46.69) 93.22,46.68 93.19,46.6 arc(93.19,46.6) 93.19,46.59 93.18,46.57 93.17,46.53 93.16,46.51 arc(93.16,46.5) 93.16,46.5 93.14,46.4 arc(93.14,46.4) 93.14,46.4 93.14,46.38 93.13,46.34 93.13,46.32 arc(93.13,46.31) 93.13,46.31 93.13,46.27 arc(93.13,46.26) 93.13,46.26 93.13,46.22 arc(93.14,46.14) 93.15,46.05 93.16,46.01 arc(93.18,45.91) 93.21,45.82 93.23,45.78 arc(93.27,45.7) 93.32,45.61 93.35,45.57 arc(93.4,45.5) 93.46,45.44 93.47,45.42 arc(93.48,45.42) 93.48,45.41 94.39,44.5 arc(94.4,44.5) 94.4,44.49 94.47,44.42 arc(94.5,44.38) 94.54,44.34 94.67,44.18 arc(94.7,44.14) 94.73,44.09 94.84,43.92 arc(94.87,43.87) 94.89,43.82 94.98,43.64 arc(95.01,43.58) 95.03,43.53 95.09,43.34 arc(95.11,43.29) 95.12,43.23 95.17,43.03 arc(95.18,42.98) 95.19,42.92 95.21,42.71 arc(95.22,42.67) 95.22,42.62 95.22,42.51 arc(95.22,42.51) 95.22,42.5 95.22,25.99 arc(95.39,25.15) 95.87,24.43 arc(96.08,24.11) 96.16,23.73 U4#4.3
Board_3-/RGB_PWR: length 46
  Bottom w0.5: v1(127.45,27.39) 128.9,27.39 ; v1(72.5,39.04) 71.06,39.04 ; 128.9,11.22 v1(127.45,11.22) ; v1(85.88,64.36) 85.88,65.81 ; D7.1 105.65,58.99 v3(105.65,58.99) ; 128.9,61.22 v1(127.45,61.22) ; 115.89,65.83 v1(115.89,64.38) ; 104.04,8.19 v1(104.04,9.63) ; v1(94.04,9.61) 94.04,8.17 ; v1(119.04,9.61) 119.04,8.17 ; v3(105.66,20.95) 105.65,20.95 D2.1 ; D8#3.1 80.5,59.05 v3(80.49,59.04) ; 95.87,65.81 v1(95.87,64.36) ; v1(74.04,9.64) 74.04,8.2 ; D3#4.1 124.7,39.96 v3(124.71,39.96) ; v1(125.88,64.31) 125.88,65.75 ; D16#2.4 v1(72.45,24.46) ; v2(93.81,24.83) U3#2.6 ; v1(72.49,12.96) 71.05,12.96 ; v1(127.45,46.39) 128.9,46.39 ; v3(124.7,20.93) D1#4.1 ; D21#4.4 128.91,38.33 v1(127.46,38.33) ; v3(124.72,58.98) 124.7,58.99 D6#4.1 ; 128.91,19.47 v1(127.46,19.47) ; v1(75.87,64.38) 75.87,65.83 ; v1(72.47,48.13) 71.03,48.13 ; v3(80.5,39.88) D5#2.1 ; 124.03,8.18 v1(124.03,9.62) ; 71.06,29.14 v1(72.5,29.14) ; v1(72.5,62.98) 71.06,62.98 ; 105.89,65.81 v1(105.89,64.36) ; D4#4.1 v3(105.65,39.99)
Board_3-/RST: length 12.9
  In1.Cu w0.2: v1(93.03,50.42) arc(93.11,50.53) 93.14,50.67 93.14,55.62 arc(92.62,58.25) v1(91.13,60.47)
  Bottom w0.2: v1(91.13,60.47) 89.82,60.47 ; v1(93.03,50.42) 93.03,50.48 93.03,50.49 arc(92.92,50.65) 92.88,50.84 U6.26
Board_3-/S1: length 50.7
  Bottom w0.2: U6.39 95.35,46.46 95.53,46.28 105.1,46.28 arc(111.94,43.44) 114.78,36.6 114.78,13.84 arc(115.07,13.13) 115.78,12.84 MX1#4.2
Board_3-/S2: length 38.7
  Bottom w0.2: MX2#3.2 98.47,14.1 arc(98.99,14.88) 99.18,15.81 99.18,22.57 arc(98.65,23.84) 97.38,24.37 97.32,24.37 arc(96.05,24.9) 95.52,26.17 95.52,42.81 arc(95.73,43.32) 96.25,43.54 96.38,43.54 arc(96.74,43.69) 96.88,44.04 96.88,45.36 arc(96.79,45.59) 96.56,45.68 94.54,45.68 U6.41
Board_3-/S3: length 58.2
  Top w0.2: MX3.S1 85.15,15.72 arc(83.37,20.03) 79.06,21.82 75.74,21.82 arc(74.17,22.13) 72.84,23.02 72.05,23.81 arc(70.97,25.43) 70.59,27.34 70.59,38.55 arc(73.35,45.23) 80.04,48 81.13,48 arc(82.09,48.19) 82.9,48.73 83.1,48.93 arc(83.91,49.47) 84.86,49.66 87.93,49.66 arc(88.43,49.56) v1(88.85,49.27)
  Bottom w0.2: U6.12 87.93,49.66 arc(88.43,49.56) v1(88.85,49.27)
Board_3-/S4: length 31.6
  Bottom w0.2: MX4#4.2 115.14,33.01 115.14,36.58 arc(112.21,43.65) 105.14,46.58 95.69,46.58 95.41,46.86 U6.38
Board_3-/S5: length 18.3
  Bottom w0.2: U6.40 94.54,46.08 95.3,46.08 95.4,45.98 96.58,45.98 arc(97.01,45.8) 97.18,45.37 97.18,44.02 arc(96.95,43.47) 96.4,43.24 96.25,43.24 arc(95.94,43.07) 95.82,42.74 95.82,32.88 arc(95.82,32.88) 95.82,32.87 95.82,32.82 arc(95.82,32.78) 95.83,32.74 95.85,32.64 arc(95.86,32.59) 95.88,32.54 95.92,32.45 arc(95.94,32.41) 95.96,32.37 96.02,32.28 arc(96.05,32.24) 96.08,32.21 96.15,32.14 arc(96.18,32.11) 96.22,32.08 96.31,32.02 arc(96.35,32) 96.39,31.98 96.48,31.94 arc(96.53,31.92) 96.58,31.91 96.68,31.89 arc(96.72,31.88) 96.76,31.88 96.81,31.88 arc(96.82,31.88) 96.82,31.88 MX5#4.2
Board_3-/S6: length 31.9
  Top w0.2: v1(72.06,31.89) arc(71.23,32.23) 70.89,33.06 70.89,38.52 arc(73.58,45.01) 80.07,47.7 81.28,47.7 arc(82.24,47.89) 83.05,48.43 83.17,48.55 arc(83.98,49.09) 84.93,49.28 87.41,49.28 arc(88.05,49.15) v1(88.59,48.79)
  Bottom w0.2: v1(88.59,48.79) 88.46,48.92 arc(88.08,49.17) U6.11
Board_3-/S7: length 25.1
  Bottom w0.2: U6.29 95.07,50.46 arc(95.35,50.34) 95.47,50.06 95.47,49.89 arc(95.59,49.61) 95.87,49.49 97.48,49.49 arc(98.44,49.3) 99.25,48.76 99.45,48.56 arc(100.26,48.02) 101.21,47.83 114.26,47.83 arc(115.68,48.42) 116.26,49.83 MX7#4.2
Board_3-/S8: length 3.9
  Bottom w0.2: U6.28 93.68,50.94 MX8.2
Board_3-/S9: length 18.3
  Top w0.2: v1(87.96,50.88) 87.83,50.76 84.58,50.76 arc(83.63,50.57) 82.82,50.03 82.43,49.64 arc(81.62,49.1) 80.66,48.91 74.09,48.91 arc(72.66,49.5) v1(72.06,50.94)
  Bottom w0.2: v1(87.96,50.88) 88.37,51.3 U6.15
Board_3-/SCL1: length 66.6
  In2.Cu w0.2: v1(113.81,8.37) 114,8.56 114,34.48 arc(111.15,41.37) 104.26,44.22 99.34,44.22 arc(97.88,43.93) 96.65,43.1 96.61,43.07 arc(95.23,42.14) 93.6,41.82 91.1,41.82 arc(89.2,42.2) 87.58,43.28 86.21,44.65 arc(85.85,45.19) v1(85.72,45.83)
  Bottom w0.2: J2#4.4 v1(113.81,8.37) ; U6.5 86.75,46.86 arc(86.02,46.56) v1(85.72,45.83)
Board_3-/SDA1: length 65.9
  In2.Cu w0.2: v1(114.31,7.88) 114.31,34.52 arc(111.38,41.59) 104.31,44.52 99.3,44.52 arc(97.77,44.21) 96.46,43.34 96.43,43.31 arc(95.11,42.43) 93.56,42.12 91.15,42.12 arc(89.32,42.48) 87.76,43.52 87.28,44 arc(86.9,44.58) 86.76,45.27 v1(86.76,45.85)
  Bottom w0.2: U6.4 87.37,46.46 arc(86.94,46.28) v1(86.76,45.85) ; J2#4.3 v1(114.31,7.88)
